# KiCad board stepper-driver.kicad_pcb (continued)
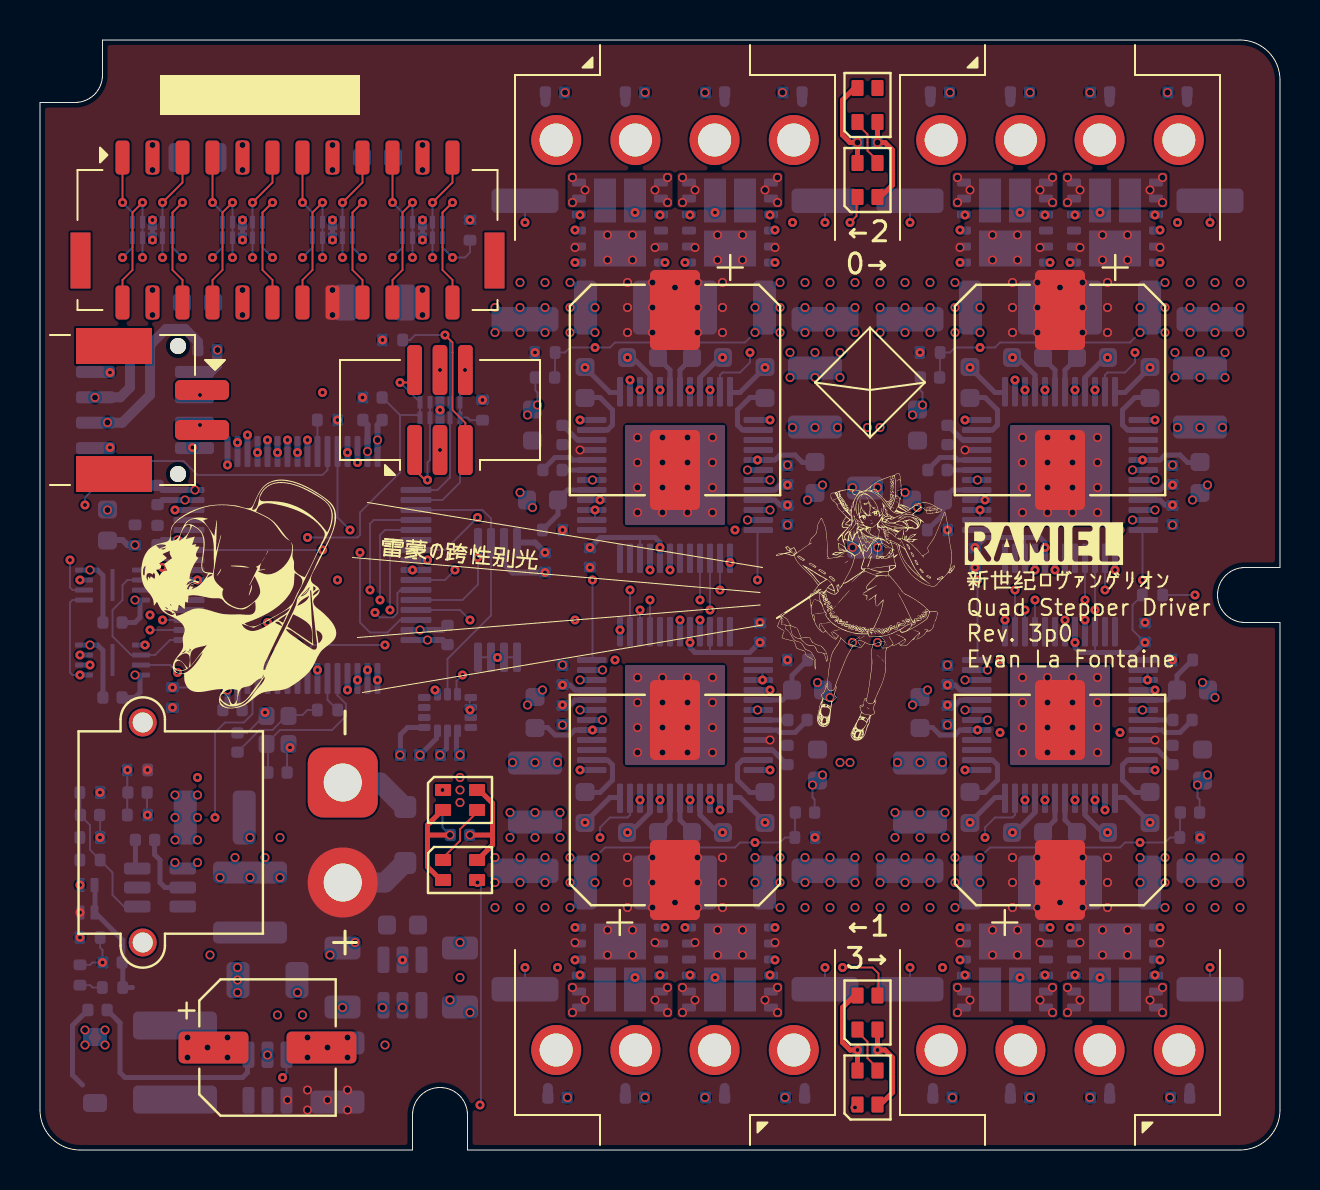
[diagram p0: board, top side]
## Routing (per net, layer and track width the routed paths; a pad name or vN(x,y) marks a point on that pad's centre or on a via; arc(x,y) is an arc through that point) (continued)
/Channel2/CHA.C1: length 2
  Bottom w0.25: U502.42 50.75,39 50.12,39.62
/Channel2/CHA.C2: length 3.5
  Bottom w0.25: U502.35 47.62,36 47.88,36.25 47.88,37 47.25,37.62 46.5,37.62
/Channel2/CHA.H1: length 6.5
  In3.Cu w0.095: v2(50.5,44.38) 50.5,38.25 v2(50.25,38)
/Channel2/CHA.H2: length 8.6
  In3.Cu w0.095: v2(46.25,36.5) 45.25,37.5 45.25,43.62 v2(46,44.38)
/Channel2/CHA.L1: length 9.5
  In3.Cu w0.095: v2(50.25,46.75) 50.62,46.38 50.62,45.12 49.25,43.75 v2(49.25,38)
/Channel2/CHA.L2: length 9.3
  In3.Cu w0.095: v2(48.75,38.5) 47.5,39.75 47.5,44 47,44.5 47,46 v2(46.25,46.75)
/Channel2/CHA.SRH: length 30.7
  In2.Cu w0.095: v2(56.88,46.38) v2(43.5,46.38)
  In3.Cu w0.095: v2(56.62,33.25) 58.62,35.25 58.62,40.12 58.12,40.62 58.12,45.12 v2(56.88,46.38)
  Bottom w0.095: R508.1 v2(43.5,46.38)
  Bottom w0.25: v2(56.62,33.25) 56.25,33.25 56,33 U502.8
  vias: v1(45.88,48.62) v1(45.88,47.38) v1(46.5,48) v1(50,48) v1(50.62,48.62) v1(50.62,47.38)
/Channel2/CHB.C1: length 3.4
  Bottom w0.25: U502.2 54.38,36 54.12,36.25 54.12,37 54.75,37.62 55.38,37.62
/Channel2/CHB.C2: length 2
  Bottom w0.25: 51.88,39.62 51.25,39 U502.43
/Channel2/CHB.H1: length 9
  In3.Cu w0.095: v2(56,44.38) 57,43.38 57,40.62 57.25,40.38 57.25,38 v2(55.75,36.5)
/Channel2/CHB.H2: length 6.5
  In3.Cu w0.095: v2(51.75,38) 51.5,38.25 v2(51.5,44.38)
/Channel2/CHB.L1: length 10.3
  In3.Cu w0.095: v2(55.75,46.75) 54.88,45.88 54.88,44.38 54.5,44 54.5,40.12 v2(54.75,39.88)
  Bottom w0.095: 53.25,38.25 53.25,38.75 53.38,38.88 54.25,38.88 54.75,39.38 v2(54.75,39.88)
/Channel2/CHB.L2: length 9.2
  In3.Cu w0.095: v2(51.75,46.75) 52.5,46 52.5,44 52.75,43.75 v2(52.75,38)
/Channel2/CHB.SRH: length 18.5
  In3.Cu w0.095: v2(58.5,46.38) 59.38,45.5 59.38,40.75 59.65,40.48 59.65,35.27 v2(56.62,32.25)
  Bottom w0.095: R515.1 v2(58.5,46.38)
  Bottom w0.25: v2(56.62,32.25) 56.25,32.25 56,32.5 U502.9
  vias: v1(51.38,48.62) v1(51.38,47.38) v1(52,48) v1(55.5,48) v1(56.12,48.62) v1(56.12,47.38)
/Channel2/CPI: length 2.8
  Bottom w0.25: 44.38,34 45,34.62 45.75,34.62 45.88,34.5 U502.32
/Channel2/CPO: length 1.4
  Bottom w0.25: C503.2 46.75,34
/Channel2/VCP: length 1.6
  Bottom w0.25: U502.34 46.12,35.5 45.5,36.12
/Channel3/+A: length 10.4
  In3.Cu w0.25: v2(53.38,15.88) 53.85,15.4 53.85,9.48 v2(53,8.62)
  Bottom w0.25: U602.40 52.25,16.75 53.12,15.88
  Bottom w0.5: C613.2 53.48,3.11
/Channel3/+B: length 9.8
  In3.Cu w0.25: v2(46.5,16.38) 46.5,10 v2(46,9.5)
  Bottom w0.25: 48.21,17.62 47.75,17.62 v2(46.5,16.38)
  Bottom w0.5: C611.2 44.64,3.11
/Channel3/-A: length 9.8
  In3.Cu w0.25: v2(56,9.5) 55.5,10 v2(55.5,16.38)
  Bottom w0.25: v2(55.5,16.38) 54.25,17.62 53.79,17.62
  Bottom w0.5: C614.2 57.48,3.11
/Channel3/-B: length 10.5
  In3.Cu w0.25: v2(49,8.62) 48.25,9.38 48.25,11.38 48,11.62 48,15.25 v2(48.62,15.88)
  Bottom w0.25: U602.45 49.75,16.88 48.75,15.88
  Bottom w0.5: C612.2 48.52,3.11
/Channel3/CHA.C1: length 2
  Bottom w0.25: 51.88,15.88 51.25,16.5 U602.42
/Channel3/CHA.C2: length 3.5
  Bottom w0.25: 55.5,17.88 54.75,17.88 54.12,18.5 54.12,19.25 54.38,19.5 U602.35
/Channel3/CHA.H1: length 6.5
  In3.Cu w0.095: v2(51.5,11.12) 51.5,17.25 v2(51.75,17.5)
/Channel3/CHA.H2: length 8.6
  In3.Cu w0.095: v2(56,11.12) 56.75,11.88 56.75,18 v2(55.75,19)
/Channel3/CHA.L1: length 9.5
  In3.Cu w0.095: v2(51.75,8.75) 51.38,9.12 51.38,10.38 52.75,11.75 v2(52.75,17.5)
/Channel3/CHA.L2: length 9.3
  In3.Cu w0.095: v2(55.75,8.75) 55,9.5 55,11 54.5,11.5 54.5,15.75 v2(53.25,17)
/Channel3/CHA.SRH: length 30.7
  In2.Cu w0.095: v2(45.12,9.12) v2(58.5,9.12)
  In3.Cu w0.095: v2(45.12,9.12) 43.88,10.38 43.88,14.88 43.38,15.38 43.38,20.25 v2(45.38,22.25)
  Bottom w0.095: R608.1 v2(58.5,9.12)
  Bottom w0.25: U602.8 46,22.5 45.75,22.25 v2(45.38,22.25)
  vias: v1(51.38,8.12) v1(51.38,6.88) v1(52,7.5) v1(55.5,7.5) v1(56.12,8.12) v1(56.12,6.88)
/Channel3/CHB.C1: length 3.4
  Bottom w0.25: U602.2 47.62,19.5 47.88,19.25 47.88,18.5 47.25,17.88 46.62,17.88
/Channel3/CHB.C2: length 2
  Bottom w0.25: U602.43 50.75,16.5 50.12,15.88
/Channel3/CHB.H1: length 9
  In3.Cu w0.095: v2(46,11.12) 45,12.12 45,14.88 44.75,15.12 44.75,17.5 v2(46.25,19)
/Channel3/CHB.H2: length 6.5
  In3.Cu w0.095: v2(50.25,17.5) 50.5,17.25 v2(50.5,11.12)
/Channel3/CHB.L1: length 10.3
  In3.Cu w0.095: v2(46.25,8.75) 47.12,9.62 47.12,11.12 47.5,11.5 47.5,15.38 v2(47.25,15.62)
  Bottom w0.095: v2(47.25,15.62) 47.25,16.12 47.75,16.62 48.62,16.62 48.75,16.75 48.75,17.25
/Channel3/CHB.L2: length 9.2
  In3.Cu w0.095: v2(50.25,8.75) 49.5,9.5 49.5,11.5 49.25,11.75 v2(49.25,17.5)
/Channel3/CHB.SRH: length 18.5
  In3.Cu w0.095: v2(45.38,23.25) 42.35,20.23 42.35,15.02 42.62,14.75 42.62,10 v2(43.5,9.12)
  Bottom w0.095: R615.1 v2(43.5,9.12)
  Bottom w0.25: U602.9 46,23 45.75,23.25 v2(45.38,23.25)
  vias: v1(45.88,8.12) v1(45.88,6.88) v1(46.5,7.5) v1(50,7.5) v1(50.62,8.12) v1(50.62,6.88)
/Channel3/CPI: length 2.8
  Bottom w0.25: 57.62,21.5 57,20.88 56.25,20.88 56.12,21 U602.32
/Channel3/CPO: length 1.4
  Bottom w0.25: C603.2 55.25,21.5
/Channel3/VCP: length 1.6
  Bottom w0.25: U602.34 55.88,20 56.5,19.38
/DBG.NRST: length 21.7
  Top w0.095: v2(18,38.38) 18.75,38.38
  In3.Cu w0.095: v2(13.88,24) 13.38,24.5 v2(13.38,30.62)
  Bottom w0.095: 18,36.75 17.12,37.62 ; 18,36.75 18.86,36.75 D108.5 ; 18,36.75 18,33.88 16,31.88 16,30.75 15.88,30.62 v2(13.38,30.62) ; v2(18,38.38) 18.01,38.38 D108.6 19,36.5
/DBG.SWCLK: length 9.4
  Bottom w0.095: 18.88,32.5 20.12,32.5 21,33.38 D108.1 21,38.75 v2(21.25,39) ; 21,36.62 21.38,36.62 21.51,36.49 R108.1
/DBG.SWDIO: length 17.5
  Top w0.095: J103.5 21.27,36.36 20.62,37 20.62,40.38 v2(20.25,40.75)
  Bottom w0.095: 18.88,33 19.88,33 20.5,33.62 D108.2 20.5,40.5 v2(20.25,40.75) 18.75,40.75 18.5,40.5 R107.2
/DBG.SWO: length 9.1
  Top w0.095: 18.75,34.38 18.75,34 19.25,33.5 v2(19.38,33.5)
  In3.Cu w0.095: v2(19.38,33.5) v2(19.38,29.5)
  Bottom w0.095: 19.5,37.38 D108.4 19.5,34.5 19.38,34.38 v2(19.38,33.5)
/LI2C_SCL: length 13.6
  Bottom w0.095: 20.38,22.75 20.38,24.56 22.55,26.73 U103.6 22.55,31.57 22.12,32 18.88,32
/LI2C_SDA: length 12.8
  In3.Cu w0.095: v2(21.88,29.62) 21.88,24.5 v2(21.12,23.75)
  Bottom w0.095: v2(21.12,23.75) 20.82,23.45 20.82,22.79 ; U103.5 21.9,28.27 21.12,27.5 18.75,27.5
/OSC_IN: length 7.9
  Bottom w0.095: 11.38,20.38 12,21 14.6,21 15.3,21.7 15.3,22.3 14.88,22.73 U101.5 ; C101.2 11.39,20.23 11.38,20.25
/OSC_OUT: length 1.8
  Bottom w0.095: 14.38,23.62 14.38,22.51 R102.2
/OSC_OUT_L: length 4.4
  Bottom w0.095: C102.2 10.98,21 11.62,21 12.12,21.5 ; R102.1 13.38,22 13.12,21.75 12.5,21.75
/QSPI.IO0: length 2.7
  Bottom w0.095: 5,29 5.5,29.5 U101.25
/QSPI.IO1: length 7.7
  In2.Cu w0.095: v2(6.88,29) 6.38,29.5 v2(1.5,29.5)
  Bottom w0.095: v2(1.5,29.5) 1.5,28.12 1.62,28 U106.2
/QSPI.IO2: length 6.2
  In2.Cu w0.095: v2(6.12,28.5) v2(2,28.5)
  Bottom w0.095: v2(6.12,28.5) 6.12,28 6.62,27.5 U101.21
/QSPI.IO3: length 2.7
  Bottom w0.095: U106.7 5.56,28 6.56,27 7.38,27
/QSPI.IO4: length 9.3
  In2.Cu w0.095: v2(12.88,25.25) v2(5.25,25.25)
  Bottom w0.095: U101.9 v2(12.88,25.25)
/QSPI.IO5: length 9.9
  In2.Cu w0.095: v2(2.5,24.25) v2(12.38,24.25)
/QSPI.IO6: length 11.1
  In2.Cu w0.095: v2(11.88,24.75) v2(2,24.75)
  Bottom w0.095: U101.11 v2(11.88,24.75)
/QSPI.IO7: length 6.2
  In3.Cu w0.095: v2(6.88,28) v2(6.88,23.88)
  Bottom w0.095: 5,24.25 6.5,24.25 v2(6.88,23.88)
/QSPI.NCS: length 15
  In2.Cu w0.095: v2(6.62,23.12) 2.62,23.12 v2(2,23.75)
  Bottom w0.095: 2.25,27.5 1.62,27.5 1.5,27.38 1.5,23.88 1.62,23.75 v2(2,23.75) U105.1 ; 10.38,24 10.38,24.5 10.12,24.75 9.12,24.75 7.5,23.12 v2(6.62,23.12)
/QSPI.SCK: length 8.3
  Bottom w0.095: 5,28.5 4.38,28.5 4.12,28.25 4.12,27.5 3.62,27 3.62,25.69 4.56,24.75 5.75,24.75 6.5,25.5 U101.17
/STEP.CLK: length 61.2
  In2.Cu w0.095: v2(14.88,28.5) v2(35.88,28.5) v2(46.88,28.5) v2(55.12,28.5)
  In3.Cu w0.095: v2(14.88,28.5) v2(14.88,36.5)
  Bottom w0.095: 35.88,31 v2(35.88,28.5) 35.91,28.54 ; 27.62,24.54 v2(27.62,28.5) ; v2(55.12,28.5) 55.12,31 ; 46.88,24.54 v2(46.88,28.5)
/STEP.DIAG: length 78
  In2.Cu w0.095: v2(36.12,23.5) 36.4,23.77 44.23,23.77 45.12,22.88 46.15,22.88 46.4,23.12 55,23.12 v2(55.38,23.5) 56.47,23.5 57.25,24.28 57.25,29.5 54.38,32.38 48.72,32.38 48.34,32 v2(47,32) 44.75,32 44.12,31.38 38.12,31.38 37.75,31.75 37.31,31.75 36.56,32.5 35.88,32.5 35.75,32.38 29.62,32.38 29.25,32 v2(27.75,32) 25.75,32 24.75,31 v2(15.5,31)
  Bottom w0.095: v2(36.12,23.5) 36.12,24 ; v2(27.75,32) 27.75,31.5 ; v2(15.5,31) 14.88,31.62 U101.44 ; v2(55.38,23.5) 55.38,24 ; v2(47,32) 47,31.5
/STEP.MISO: length 47.5
  In2.Cu w0.095: v2(17,27.5) v2(33,27.5) v2(52.25,27.5)
  Bottom w0.095: U502.16 v2(52.25,27.5) ; 18.5,31 17.25,31 17,30.75 v2(17,27.5) ; U302.16 v2(33,27.5) ; U602.16 v2(49.75,27.5) ; U402.16 v2(30.5,27.5)
/STEP.MOSI: length 46.8
  In2.Cu w0.095: v2(52.75,27) v2(33.5,27) v2(17.5,27)
  Bottom w0.095: U402.15 v2(30,27) ; v2(17.5,27) 17.5,30.25 17.75,30.5 18.38,30.5 ; U502.15 v2(52.75,27) ; U602.15 v2(49.25,27) ; U302.15 v2(33.5,27)
/STEP.NCS0: length 25.7
  In2.Cu w0.095: v2(16,29.88) 20.4,29.88 21.02,29.25 25.1,29.25 25.35,29.49 34.38,29.49 v2(34.5,29.38)
  Bottom w0.095: U101.62 18,26.5 17.38,25.88 16.5,25.88 16,26.38 v2(16,29.88)
/STEP.NCS1: length 13.5
  In2.Cu w0.095: v2(16.38,24) 17.38,24 18.47,25.1 28.1,25.1 v2(29,26)
/STEP.NCS2: length 48.7
  In2.Cu w0.095: v2(15.88,23.5) 18.75,20.62 33.69,20.62 33.96,20.9 43.85,20.9 44.12,20.62 45.44,20.62 46.71,21.9 52.98,21.9 v2(54,20.88)
  In3.Cu w0.095: v2(53.75,29) 53.75,21.12 v2(54,20.88)
/STEP.NCS3: length 40
  In2.Cu w0.095: v2(15.38,23) 18,20.38 36.06,20.38 36.33,20.1 47.23,20.1 v2(48,20.88)
  In3.Cu w0.095: v2(48,20.88) 48.37,21.24 48.37,26.38 v2(48.25,26.5)
/STEP.NEN: length 71.3
  In2.Cu w0.095: 28.12,32.5 25.75,32.5 24.88,31.62 v2(21.88,31.62) ; v2(36.5,23) 36.75,22.75 38.81,22.75 39.19,23.12 43.69,23.12 44.31,22.5 44.44,22.5 44.56,22.62 47.25,22.62 47.5,22.88 55.25,22.88 55.38,23 v2(55.75,23) 56.62,23 57.75,24.12 v2(57.75,27.75) 57.75,29.44 54.56,32.62 47.38,32.62 v2(47.25,32.5) 47.23,32.52 43.52,32.52 43.38,32.38 39.44,32.38 38.91,32.9 38.02,32.9 37.88,32.75 35.62,32.75 35.5,32.62 29.38,32.62 29.25,32.5 v2(28,32.5)
  Bottom w0.095: R103.2 v2(57.75,27.75) ; U101.55 20.25,30 v2(21.88,31.62)
/STEP.SCK: length 49.6
  In2.Cu w0.095: v2(16.5,28) v2(34,28) v2(53.25,28)
  Bottom w0.095: U502.14 v2(53.25,28) ; U602.14 v2(48.75,28) ; U302.14 v2(34,28) ; U402.14 v2(29.5,28) ; v2(16.5,28) 16.5,31.31 16.69,31.5 18.62,31.5
/STEP_CLK_UT: length 1.6
  Bottom w0.095: U101.42 13.88,36.5
/TEMP0: length 40.9
  In2.Cu w0.095: v2(26.75,26.5) 26.38,26.13 19.99,26.13 19.62,26.5 11.5,26.5 v2(11.38,26.38)
  In3.Cu w0.095: v2(27.75,40.12) 27.75,34.19 28.37,33.57 28.37,28.12 v2(26.75,26.5)
  Bottom w0.095: TH301.1 31.75,40.5 31.62,40.38 28.75,40.38 28.5,40.12 v2(27.75,40.12) 26.5,40.12 26.25,39.88 25.75,39.88 25.75,38.64 ; v2(11.38,26.38) 11.38,23.75
/TEMP1: length 44.6
  In2.Cu w0.095: v2(8.75,16.62) 9.25,16.12 16.25,16.12 17.12,15.25 22.12,15.25 23,16.12 26.74,16.12 26.87,15.99 28.15,15.99 28.77,15.38 v2(35.75,15.38)
  Bottom w0.095: v2(8.75,16.62) 8.75,20.88 9.25,21.38 10.19,21.38 10.62,21.81 10.62,22.55 10.88,22.8 U101.13 ; TH401.1 31.75,15 31.88,15.12 34.75,15.12 35,15.38 v2(35.75,15.38) 37,15.38 37.25,15.62 37.75,15.62 37.75,16.86
/TEMP2: length 58
  In2.Cu w0.095: v2(47,40.12) 46.38,39.51 40.29,39.51 38.28,37.5 25.38,37.5 23.5,39.38 15.62,39.38 v2(14.12,37.88)
  In3.Cu w0.095: v2(14.12,37.88) v2(14.12,30)
  Bottom w0.095: TH501.1 51,40.5 50.88,40.38 48,40.38 47.75,40.12 v2(47,40.12) 45.75,40.12 45.5,39.88 45,39.88 45,38.64 ; v2(14.12,30) 7.38,30
/TEMP3: length 66.8
  In2.Cu w0.095: v2(7.88,18.62) 10.12,16.38 26.47,16.38 26.84,16.74 27.63,16.74 27.85,16.53 35.12,16.53 36.52,15.12 54.75,15.12 v2(55,15.38)
  In3.Cu w0.095: v2(7.88,18.62) v2(7.88,28.5)
  Bottom w0.095: 57,16.86 57,15.62 56.5,15.62 56.25,15.38 v2(55,15.38) 54.25,15.38 54,15.12 51.12,15.12 51,15 TH601.1
/XIO0: length 26.7
  Top w0.095: v2(4.12,47.38) J102.1
  In3.Cu w0.095: v2(5.5,26) 4.73,26 4.12,26.6 v2(4.12,44.62)
  Bottom w0.095: v2(4.12,47.38) 4.62,46.88 D104.1 ; v2(5.5,26) 7.12,26 ; 4.62,46.38 D104.10 4.62,45.12 v2(4.12,44.62)
/XIO1: length 27.4
  Top w0.095: 4.12,42.62 4.12,43.5 4.62,44 4.62,46.88 v2(5.12,47.38)
  In3.Cu w0.095: v2(5.12,44.62) 5.12,41.12 5.25,41 5.25,28.25 6.12,27.38 v2(6.12,26.5)
  Bottom w0.095: 5.12,46.38 D104.9 v2(5.12,44.62) ; D104.2 v2(5.12,47.38) ; v2(6.12,26.5) 7.12,26.5
/XIO2: length 18.3
  Top w0.095: J102.5 7.12,48.38 v2(6.12,47.38)
  In3.Cu w0.095: v2(6.12,44.62) 6.12,32.62 v2(6.75,32)
  Bottom w0.095: 6.12,46.38 D104.7 v2(6.12,44.62) ; D104.4 v2(6.12,47.38)
/XIO3: length 19.6
  Top w0.095: 7.12,42.5 7.12,43.5 6.62,44 6.62,46.88 v2(7.12,47.38)
  In3.Cu w0.095: v2(7.12,44.62) 7.55,44.2 7.55,36.08 v2(9.38,34.25)
  Bottom w0.095: v2(7.12,47.38) 6.62,46.88 D104.5 ; v2(7.12,44.62) 6.62,45.12 D104.6 6.62,46.25
/XIO4: length 15.4
  Top w0.095: v2(8.62,47.38) J102.7
  In3.Cu w0.095: v2(9.88,35.38) 9.88,37.12 8.38,38.62 8.38,44.38 v2(8.62,44.62)
  Bottom w0.095: v2(8.62,47.38) 9.12,46.88 D105.1 ; 9.12,46.38 D105.10 9.12,45.12 v2(8.62,44.62)
/XIO5: length 17.3
  Top w0.095: J102.8 8.62,43.5 9.12,44 9.12,46.88 v2(9.62,47.38)
  In3.Cu w0.095: v2(9.62,44.62) 9.62,38.25 10.38,37.5 v2(10.38,35.75)
  Bottom w0.095: v2(9.62,44.62) D105.9 9.62,46.38 ; D105.2 v2(9.62,47.38)
/XIO6: length 15.4
  Top w0.095: J102.11 11.62,48.38 v2(10.62,47.38)
  In3.Cu w0.095: v2(10.62,44.62) 10.62,38.88 10.88,38.62 v2(10.88,34.88)
  Bottom w0.095: v2(10.62,47.38) D105.4 10.62,45.5 ; D105.7 v2(10.62,44.62)
/XIO7: length 17.8
  Top w0.095: v2(11.62,47.38) 11.12,46.88 11.12,44 11.62,43.5 J102.12
  In3.Cu w0.095: v2(11.62,44.62) 11.62,38.88 11.38,38.62 v2(11.38,35.5)
  Bottom w0.095: D105.5 11.12,46.88 v2(11.62,47.38) ; v2(11.62,44.62) 11.12,45.12 D105.6 11.12,46.38
/XIO8: length 15.5
  Top w0.095: v2(13.12,47.38) 13.12,49.5
  In3.Cu w0.095: v2(11.88,34.88) 11.88,37.75 13.12,39 v2(13.12,44.62)
  Bottom w0.095: v2(13.12,47.38) 13.62,46.88 D106.1 ; v2(13.12,44.62) 13.62,45.12 D106.10 13.62,46.38
/XIO9: length 18.1
  Top w0.095: v2(14.12,47.38) 13.62,46.88 13.62,44 13.12,43.5 13.12,42.25
  In3.Cu w0.095: v2(14.12,44.62) 14.12,39.5 12.38,37.75 v2(12.38,35.5)
  Bottom w0.095: v2(14.12,44.62) D106.9 14.12,46.38 ; D106.2 v2(14.12,47.38)
/XIO10: length 16.2
  Top w0.095: v2(15.12,47.38) 16.12,48.38 16.12,49.75
  In3.Cu w0.095: v2(15.12,44.62) 15.12,40 12.88,37.75 v2(12.88,34.88)
  Bottom w0.095: v2(15.12,44.62) D106.7 15.12,46.38 ; D106.4 v2(15.12,47.38)
/XIO11: length 18.8
  Top w0.095: v2(16.12,47.38) 15.62,46.88 15.62,44 16.12,43.5 J102.18
  In3.Cu w0.095: v2(13.38,35.5) 13.38,37.75 16.12,40.5 v2(16.12,44.62)
  Bottom w0.095: D106.5 15.62,46.88 v2(16.12,47.38) ; 15.62,46.38 D106.6 15.62,45.12 v2(16.12,44.62)
/XIO12: length 30.9
  Top w0.095: v2(17.62,47.38) J102.19
  In3.Cu w0.095: v2(17.62,44.62) 17.62,27.62 18.25,27 18.25,26.25 v2(17.25,25.25)
  Bottom w0.095: 13.38,23.5 13.38,25 13.62,25.25 v2(17.25,25.25) ; 18.12,46.38 D107.10 18.12,45.12 v2(17.62,44.62) ; v2(17.62,47.38) 18.12,46.88 D107.1
/XIO13: length 23.9
  Top w0.095: v2(18.62,47.38) 18.12,46.88 18.12,44 17.62,43.5 17.62,42.25
  In3.Cu w0.095: v2(18.62,44.62) v2(18.62,29)
  Bottom w0.095: v2(18.62,44.62) D107.9 18.62,46.38 ; D107.2 v2(18.62,47.38)
/XIO14: length 23.8
  Top w0.095: J102.23 20.62,48.38 v2(19.62,47.38)
  In3.Cu w0.095: v2(20.75,29) 20.75,43.38 19.62,44.5 v2(19.62,44.62)
  Bottom w0.095: 18.75,28.5 20.25,28.5 v2(20.75,29) ; D107.4 v2(19.62,47.38) ; 19.62,46.5 D107.7 v2(19.62,44.62)
/XIO15: length 32
  Top w0.095: J102.24 20.62,43.5 20.12,44 20.12,46.88 v2(20.62,47.38)
  In3.Cu w0.095: v2(20.62,44.62) 22,43.25 22,39 21.5,38.5 v2(21.5,26.5)
  Bottom w0.095: v2(20.62,47.38) 20.12,46.88 D107.5 ; v2(21.5,26.5) 21,27 U101.61 ; R106.1 21.5,44.88 21.25,44.62 v2(20.62,44.62) 20.12,45.12 D107.6 20.12,46.38

## Copper pours and planes (outline as drawn; the poured copper is in the pictures)
+5V on Bottom: 18.75,8 22,8 22,6.38 18.75,6.38
+12V on Bottom: 7.75,12.5 6.38,12.5 6.38,10.38 4.5,8.5 8.75,8.5 8.12,9.12 8.12,12.12
+12V on Bottom: 35.12,34.75 37.62,34.75 38.25,35.38 40.25,35.38 40.25,36.88 37.38,36.88 37,36.5 37,35.88 36.88,35.75 35.12,35.75
+12V on Bottom: 47.62,20.75 45.12,20.75 44.5,20.12 42.5,20.12 42.5,18.62 45.38,18.62 45.75,19 45.75,19.62 45.88,19.75 47.62,19.75
+12V on Bottom: 28.38,20.75 25.88,20.75 25.25,20.12 23.25,20.12 23.25,18.62 26.12,18.62 26.5,19 26.5,19.62 26.62,19.75 28.38,19.75
+12V on Bottom: 10.5,50.62 10.5,48.62 8.12,48.62 8.12,50.62
+12V on Bottom: 11.25,8.5 11.25,6.12 10.88,5.75 9.75,5.75 9.75,3.88 4.5,3.88 4.5,8.5
+12V on Bottom: 54.38,34.75 56.88,34.75 57.5,35.38 59.5,35.38 59.5,36.88 56.62,36.88 56.25,36.5 56.25,35.88 56.12,35.75 54.38,35.75
/Power/3V3_{SW} on Bottom: 12.5,10.12 8.5,10.12 8.5,12 7.88,12.62 6.38,12.62 6.38,13.62 8.12,13.62 10,11.75 12.5,11.75
/Power/12V_{SW} on Bottom: 10.88,3.38 10.88,1.62 2,1.62 2,3.38
GND on Top: 34.25,36.25 34.25,31.25 29.25,31.25 29.25,36.25
GND on Top: 48.5,19.25 48.5,24.25 53.5,24.25 53.5,19.25
GND on Top: 29.25,19.25 29.25,24.25 34.25,24.25 34.25,19.25
GND on Top: 53.5,36.25 53.5,31.25 48.5,31.25 48.5,36.25
GND on Bottom: 6.38,13.75 8.25,13.75 8.25,18.12 6.38,18.12
GND on Bottom: 3.5,5 2,5 2,6.25 3.5,6.25
GND on Bottom: 34.12,21.75 34.12,22.25 38,22.25 38.62,22.88 38.62,23.62 39.75,23.62 39.75,22.5 39.12,21.88 37,21.88 36.88,21.75
GND on Bottom: 17.62,43.38 19.5,43.38 19.5,41.38 17.62,41.38
GND on Bottom: 11,3.88 16.38,3.88 16.38,7.5 15.38,8.5 11.5,8.5 11.5,5.88 11,5.38
GND on Bottom: 55.25,43.75 54.62,43.12 54.62,40.5 60.38,40.5 60.38,43.75
GND on Bottom: 41.12,40.5 40.25,39.62 40.25,38.38 37.25,38.38 37.25,39.62 36.38,40.5
GND on Bottom: 36,43.75 35.38,43.12 35.38,40.5 41.12,40.5 41.12,43.75
GND on Bottom: 25.88,21 26.38,21 26.62,21.25 29.38,21.25 29.38,22.25 26.88,22.25 26.38,21.75 25.88,21.75 25.38,22.25 25.38,23.25 24.12,23.25 24.12,22.12 24.5,21.75 25.12,21.75
GND on Bottom: 45.12,21 45.62,21 45.88,21.25 48.62,21.25 48.62,22.25 46.12,22.25 45.62,21.75 45.12,21.75 44.62,22.25 44.62,23.25 43.38,23.25 43.38,22.12 43.75,21.75 44.38,21.75
GND on Bottom: 48.62,33.75 48.62,33.25 44.75,33.25 44.12,32.62 44.12,31.88 43,31.88 43,33 43.62,33.62 45.75,33.62 45.88,33.75
GND on Bottom: 29.38,23.25 26.88,23.25 26.25,23.88 25.75,23.88 25.75,24.62 26.5,24.62 26.88,24.25 29.38,24.25
GND on Bottom: 55.25,11.75 54.62,12.38 54.62,15 60.38,15 60.38,11.75
GND on Bottom: 41.62,15 42.5,15.88 42.5,17.12 45.5,17.12 45.5,15.88 46.38,15
GND on Bottom: 27.5,43.75 28.12,43.12 28.12,40.5 22.38,40.5 22.38,43.75
GND on Bottom: 56.88,34.5 56.38,34.5 56.12,34.25 53.38,34.25 53.38,33.25 55.88,33.25 56.38,33.75 56.88,33.75 57.38,33.25 57.38,32.25 58.62,32.25 58.62,33.38 58.25,33.75 57.62,33.75
GND on Bottom: 10.5,43.38 10.5,41.38 8.12,41.38 8.12,43.38
GND on Bottom: 53.38,32.25 55.88,32.25 56.5,31.62 57,31.62 57,30.88 56.25,30.88 55.88,31.25 53.38,31.25
GND on Bottom: 22.38,15 23.25,15.88 23.25,17.12 26.25,17.12 26.25,15.88 27.12,15
GND on Bottom: 46.75,43.75 47.38,43.12 47.38,40.5 41.62,40.5 41.62,43.75
GND on Bottom: 22,10.75 22,8.12 18.75,8.12 18.62,8 17.62,8 17.62,8.62 19.62,8.62 20,9 20,10.75
GND on Bottom: 48.62,23.25 46.12,23.25 45.5,23.88 45,23.88 45,24.62 45.75,24.62 46.12,24.25 48.62,24.25
GND on Bottom: 36,11.75 35.38,12.38 35.38,15 41.12,15 41.12,11.75
GND on Bottom: 34.12,32.25 36.62,32.25 37.25,31.62 37.75,31.62 37.75,30.88 37,30.88 36.62,31.25 34.12,31.25
GND on Bottom: 46.75,11.75 47.38,12.38 47.38,15 41.62,15 41.62,11.75
GND on Bottom: 60.38,40.5 59.5,39.62 59.5,38.38 56.5,38.38 56.5,39.62 55.62,40.5
GND on Bottom: 37.62,34.5 37.12,34.5 36.88,34.25 34.12,34.25 34.12,33.25 36.62,33.25 37.12,33.75 37.62,33.75 38.12,33.25 38.12,32.25 39.38,32.25 39.38,33.38 39,33.75 38.38,33.75
GND on Bottom: 53.38,21.75 53.38,22.25 57.25,22.25 57.88,22.88 57.88,23.62 59,23.62 59,22.5 58.38,21.88 56.25,21.88 56.12,21.75
GND on Bottom: 27.5,11.75 28.12,12.38 28.12,15 22.38,15 22.38,11.75
GND on Bottom: 18.62,8 18.62,5.62 16.88,3.88 16.38,3.88 16.38,6.25 17.62,6.25 17.62,8
GND on Bottom: 7.62,50.62 7.62,48.62 5.25,48.62 5.25,50.62
GND on Bottom: 29.38,33.75 29.38,33.25 25.5,33.25 24.88,32.62 24.88,31.88 23.75,31.88 23.75,33 24.38,33.62 26.5,33.62 26.62,33.75
GND on Bottom: 14.25,48.62 14.25,50.62 16.62,50.62 16.62,48.62
GND on In1.Cu, In4.Cu: 0,55.5 62,55.5 62,0 0,0
GND on In3.Cu: 62,55.5 62,0 23.5,0 23.5,55.5
VBUS on Top: 0,55.5 62.02,55.5 62,0 0,0
VBUS on Bottom: 50.38,42.5 51.62,42.5 51.62,43.88 50.38,43.88
VBUS on Bottom: 29,15 29,13 27.5,11.5 27.5,9.5 30.5,9.5 30.5,11.62 31.12,11.62 31.12,15
VBUS on Bottom: 34.5,40.5 34.5,42.5 36,44 36,46 33,46 33,43.88 32.38,43.88 32.38,40.5
VBUS on Bottom: 49.75,44.75 52.25,44.75 52.25,45.62 49.75,45.62
VBUS on Bottom: 53.75,40.5 53.75,42.5 55.25,44 55.25,46 52.25,46 52.25,43.88 51.62,43.88 51.62,40.5
VBUS on Bottom: 35.12,20.25 35.12,20.75 39.5,20.75 39.5,19.38 38.5,19.38 38,19.88 37.12,19.88 36.75,20.25
VBUS on Bottom: 30.5,44.75 33,44.75 33,45.62 30.5,45.62
VBUS on Bottom: 53.75,15 53.75,13 55.25,11.5 55.25,9.5 52.25,9.5 52.25,11.62 51.62,11.62 51.62,15
VBUS on Bottom: 47.62,35.25 47.62,34.75 43.25,34.75 43.25,36.12 44.25,36.12 44.75,35.62 45.62,35.62 46,35.25
VBUS on Bottom: 31.12,42.5 32.38,42.5 32.38,43.88 31.12,43.88
VBUS on Bottom: 34.5,15 34.5,13 36,11.5 36,9.5 33,9.5 33,11.62 32.38,11.62 32.38,15
VBUS on Bottom: 11,1.62 11,3.38 16.38,3.38 16.38,1.62
VBUS on Bottom: 54.38,20.25 54.38,20.75 58.75,20.75 58.75,19.38 57.75,19.38 57.25,19.88 56.38,19.88 56,20.25
VBUS on Bottom: 52.25,10.75 49.75,10.75 49.75,9.88 52.25,9.88
VBUS on Bottom: 33,10.75 30.5,10.75 30.5,9.88 33,9.88
VBUS on Bottom: 48.25,40.5 48.25,42.5 46.75,44 46.75,46 49.75,46 49.75,43.88 50.38,43.88 50.38,40.5
VBUS on Bottom: 28.38,35.25 28.38,34.75 24,34.75 24,36.12 25,36.12 25.5,35.62 26.38,35.62 26.75,35.25
VBUS on Bottom: 32.38,13 31.12,13 31.12,11.62 32.38,11.62
VBUS on Bottom: 51.62,13 50.38,13 50.38,11.62 51.62,11.62
VBUS on Bottom: 15.88,43.38 15.88,41.38 14.25,41.38 14.25,43.38
VBUS on Bottom: 29,40.5 29,42.5 27.5,44 27.5,46 30.5,46 30.5,43.88 31.12,43.88 31.12,40.5
VBUS on Bottom: 48.25,15 48.25,13 46.75,11.5 46.75,9.5 49.75,9.5 49.75,11.62 50.38,11.62 50.38,15
VBUS on In2.Cu: 62,55.5 62,0 23.5,0 23.5,55.5
VDD on Bottom: 17.12,48.62 17.12,50.62 19.5,50.62 19.5,48.62
VDD on Bottom: 16.62,6.38 16.62,7.62 14.88,9.38 14.12,9.38 14.12,10.75 16,10.75 16.62,10.12 16.62,8.75 17.5,7.88 17.5,6.38
VDD on Bottom: 7.62,43.38 7.62,41.38 5.25,41.38 5.25,43.38
VDD on Bottom: 12.5,13.25 12.5,16.25 10.62,18.12 9.25,18.12 9.25,15 8.5,14.25 8.5,13.5 8.75,13.25
VDD on In2.Cu, In3.Cu: 0,55.5 0,0 23.38,0 23.38,55.5
VDD on In3.Cu: 42.25,30.5 42.25,25 40.25,25 40.25,30.5
VDDA on Bottom: 8.25,31.75 8.25,30.75 4.5,30.75 4.25,31 4.25,31.5 4.5,31.75
/Channel0/+A on Bottom: 29.12,46.12 30.38,46.12 30.38,48.75 30.62,49 31.38,49 31.62,49.25 31.62,52.12 31.38,52.38 28.12,52.38 27.88,52.12 27.88,50 29.12,48.75
/Channel0/+B on Bottom: 34.62,46.12 34.62,48.75 35.75,49.88 35.75,52.12 36,52.38 39,52.38 39.25,52.12 39.25,49.25 39,49 36.25,49 35.88,48.62 35.88,46.12
/Channel0/-A on Bottom: 28.88,46.12 28.88,48.75 27.75,49.88 27.75,52.12 27.5,52.38 24.5,52.38 24.25,52.12 24.25,49.25 24.5,49 27.25,49 27.62,48.62 27.62,46.12
/Channel0/-B on Bottom: 34.38,46.12 33.12,46.12 33.12,48.75 32.88,49 32.12,49 31.88,49.25 31.88,52.12 32.12,52.38 35.38,52.38 35.62,52.12 35.62,50 34.38,48.75
/Channel0/CHA.SRH on Top: 26.38,48.88 31.62,48.88 31.62,47.12 26.38,47.12
/Channel0/CHA.SRH on Bottom: 31.62,48.88 30.75,48.88 30.5,48.62 30.5,47.12 31.62,47.12
/Channel0/CHA.SRH on Bottom: 22.38,48.88 27.12,48.88 27.5,48.5 27.5,47.12 26.38,47.12 25.88,46.62 22.38,46.62
/Channel0/CHB.SRH on Top: 37.12,48.88 31.88,48.88 31.88,47.12 37.12,47.12
/Channel0/CHB.SRH on Bottom: 31.88,48.88 32.75,48.88 33,48.62 33,47.12 31.88,47.12
/Channel0/CHB.SRH on Bottom: 41.12,48.88 36.38,48.88 36,48.5 36,47.12 37.12,47.12 37.62,46.62 41.12,46.62
/Channel1/+A on Bottom: 34.38,9.38 33.12,9.38 33.12,6.75 32.88,6.5 32.12,6.5 31.88,6.25 31.88,3.38 32.12,3.12 35.38,3.12 35.62,3.38 35.62,5.5 34.38,6.75
/Channel1/+B on Bottom: 28.88,9.38 28.88,6.75 27.75,5.62 27.75,3.38 27.5,3.12 24.5,3.12 24.25,3.38 24.25,6.25 24.5,6.5 27.25,6.5 27.62,6.88 27.62,9.38
/Channel1/-A on Bottom: 34.62,9.38 34.62,6.75 35.75,5.62 35.75,3.38 36,3.12 39,3.12 39.25,3.38 39.25,6.25 39,6.5 36.25,6.5 35.88,6.88 35.88,9.38
/Channel1/-B on Bottom: 29.12,9.38 30.38,9.38 30.38,6.75 30.62,6.5 31.38,6.5 31.62,6.25 31.62,3.38 31.38,3.12 28.12,3.12 27.88,3.38 27.88,5.5 29.12,6.75
/Channel1/CHA.SRH on Top: 37.12,6.62 31.88,6.62 31.88,8.38 37.12,8.38
/Channel1/CHA.SRH on Bottom: 31.88,6.62 32.75,6.62 33,6.88 33,8.38 31.88,8.38
/Channel1/CHA.SRH on Bottom: 41.12,6.62 36.38,6.62 36,7 36,8.38 37.12,8.38 37.62,8.88 41.12,8.88
/Channel1/CHB.SRH on Top: 26.38,6.62 31.62,6.62 31.62,8.38 26.38,8.38
/Channel1/CHB.SRH on Bottom: 22.38,6.62 27.12,6.62 27.5,7 27.5,8.38 26.38,8.38 25.88,8.88 22.38,8.88
/Channel1/CHB.SRH on Bottom: 31.62,6.62 30.75,6.62 30.5,6.88 30.5,8.38 31.62,8.38
/Channel2/+A on Bottom: 48.38,46.12 49.62,46.12 49.62,48.75 49.88,49 50.62,49 50.88,49.25 50.88,52.12 50.62,52.38 47.38,52.38 47.12,52.12 47.12,50 48.38,48.75
/Channel2/+B on Bottom: 53.88,46.12 53.88,48.75 55,49.88 55,52.12 55.25,52.38 58.25,52.38 58.5,52.12 58.5,49.25 58.25,49 55.5,49 55.12,48.62 55.12,46.12
/Channel2/-A on Bottom: 48.12,46.12 48.12,48.75 47,49.88 47,52.12 46.75,52.38 43.75,52.38 43.5,52.12 43.5,49.25 43.75,49 46.5,49 46.88,48.62 46.88,46.12
/Channel2/-B on Bottom: 53.62,46.12 52.38,46.12 52.38,48.75 52.12,49 51.38,49 51.12,49.25 51.12,52.12 51.38,52.38 54.62,52.38 54.88,52.12 54.88,50 53.62,48.75
/Channel2/CHA.SRH on Top: 45.62,48.88 50.88,48.88 50.88,47.12 45.62,47.12
/Channel2/CHA.SRH on Bottom: 50.88,48.88 50,48.88 49.75,48.62 49.75,47.12 50.88,47.12
/Channel2/CHA.SRH on Bottom: 41.62,48.88 46.38,48.88 46.75,48.5 46.75,47.12 45.62,47.12 45.12,46.62 41.62,46.62
/Channel2/CHB.SRH on Top: 56.38,48.88 51.12,48.88 51.12,47.12 56.38,47.12
/Channel2/CHB.SRH on Bottom: 60.38,48.88 55.62,48.88 55.25,48.5 55.25,47.12 56.38,47.12 56.88,46.62 60.38,46.62
/Channel2/CHB.SRH on Bottom: 51.12,48.88 52,48.88 52.25,48.62 52.25,47.12 51.12,47.12
/Channel3/+A on Bottom: 53.62,9.38 52.38,9.38 52.38,6.75 52.12,6.5 51.38,6.5 51.12,6.25 51.12,3.38 51.38,3.12 54.62,3.12 54.88,3.38 54.88,5.5 53.62,6.75
/Channel3/+B on Bottom: 48.12,9.38 48.12,6.75 47,5.62 47,3.38 46.75,3.12 43.75,3.12 43.5,3.38 43.5,6.25 43.75,6.5 46.5,6.5 46.88,6.88 46.88,9.38
/Channel3/-A on Bottom: 53.88,9.38 53.88,6.75 55,5.62 55,3.38 55.25,3.12 58.25,3.12 58.5,3.38 58.5,6.25 58.25,6.5 55.5,6.5 55.12,6.88 55.12,9.38
/Channel3/-B on Bottom: 48.38,9.38 49.62,9.38 49.62,6.75 49.88,6.5 50.62,6.5 50.88,6.25 50.88,3.38 50.62,3.12 47.38,3.12 47.12,3.38 47.12,5.5 48.38,6.75
/Channel3/CHA.SRH on Top: 56.38,6.62 51.12,6.62 51.12,8.38 56.38,8.38
/Channel3/CHA.SRH on Bottom: 60.38,6.62 55.62,6.62 55.25,7 55.25,8.38 56.38,8.38 56.88,8.88 60.38,8.88
/Channel3/CHA.SRH on Bottom: 51.12,6.62 52,6.62 52.25,6.88 52.25,8.38 51.12,8.38
/Channel3/CHB.SRH on Top: 45.62,6.62 50.88,6.62 50.88,8.38 45.62,8.38
/Channel3/CHB.SRH on Bottom: 50.88,6.62 50,6.62 49.75,6.88 49.75,8.38 50.88,8.38
/Channel3/CHB.SRH on Bottom: 41.62,6.62 46.38,6.62 46.75,7 46.75,8.38 45.62,8.38 45.12,8.88 41.62,8.88
/Power/CP+ on Bottom: 18.62,8.75 18.62,10.25 18.25,10.62 18.25,11.88 19.5,11.88 19.5,8.75
/Power/CP- on Bottom: 16.75,8.75 16.75,11.88 18,11.88 18,10.62 17.62,10.25 17.62,8.75

Small or netless copper shapes (teardrops, artwork), in the pictures only: 24 on Bottom

## Text on the board
B.Silkscreen: Nyaa~~~ / にゃー
F.Silkscreen: 新世纪ロヴァンゲリオン / Quad Stepper Driver / Rev. 3p0 / Evan La Fontaine | 雷蒙の跨性别光 | ←2 / 0→ | ←1 / 3→ | RAMIEL
